# KiCad board Antena.kicad_pcb
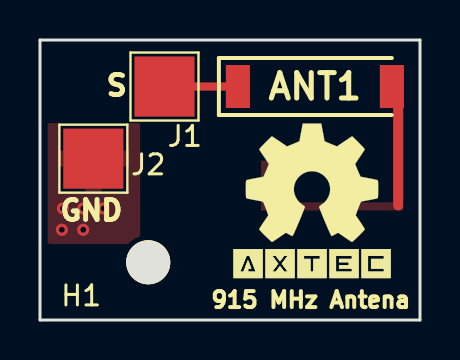
[diagram p0: board, top side]
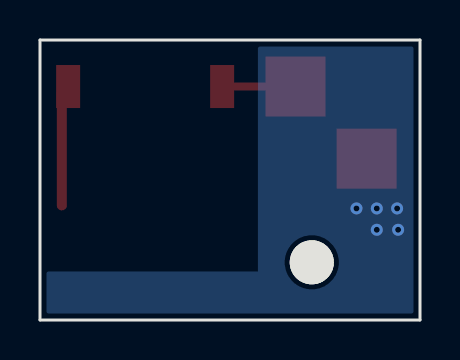
[diagram p1: board, bottom side, seen from below]

Outline 19 x 14 mm; copper layers: Top, Bottom. Coordinates in mm from the lower left corner of the outline.
Outline path: 0,14 0,0 19,0 19,14 0,14

## Placement (name value [footprint] x y rotation side)
ANT1  0915AT43A0026E  [ANTC8020X90N]  13.74 11.67 0 top
H1  MountingHole  [MountingHole_2.2mm_M2]  5.41 2.89 0 top
J1  Conn_01x01  [TestPoint_Pad_3.0x3.0mm]  6.22 11.67 0 top
J2  Conn_01x01  [TestPoint_Pad_3.0x3.0mm]  2.67 8.07 0 top
LOGO  -  [Logo_AXTEC]  9.68 4.1 0 top
REF**  -  [OSHW-Symbol_6.7x6mm_SilkScreen]  13.59 6.85 0 top

## Footprints (pads in the part's own frame, mm; a bottom-side part is the same pattern mirrored in y, then rotated)
ANTC8020X90N
  rect 1.2x2.15 smd: 1(-3.85,0) 2(3.85,0)
MountingHole_2.2mm_M2
  round 2.2 hole 2.2 unplated: (0,0)
TestPoint_Pad_3.0x3.0mm
  rect 3x3 smd: 1(0,0)

## Nets
GND: J2.1
Net-(ANT1-Pad1): ANT1.1 J1.1
Net-(ANT1-Pad2): ANT1.2

## Via types
v1: diameter 0.6, hole 0.3, Top to Bottom, 5 vias

## Routing (per net, layer and track width the routed paths; a pad name or vN(x,y) marks a point on that pad's centre or on a via; arc(x,y) is an arc through that point)
GND:
  vias: v1(1.14,5.58) v1(1.09,4.51) v1(2.16,5.58) v1(2.16,4.51) v1(3.18,5.58)
Net-(ANT1-Pad1): length 3.7
  Top w0.4: J1.1 ANT1.1
Net-(ANT1-Pad2): length 6.1
  Top w0.5: 17.91,5.73 17.91,11.36 ANT1.2

## Copper pours and planes (outline as drawn; the poured copper is in the pictures)
GND on Top: 0.38,9.84 5.01,9.84 5.01,3.8 0.38,3.8
GND on Bottom: -0.07,14.06 19.08,14.06 19.08,-0.06 -0.07,-0.06
Net-(ANT1-Pad2) on Top: 11.56,5.48 11.56,7.97 11.05,7.97 11.05,5.48
Net-(ANT1-Pad2) on Top: 11.05,5.48 18.16,5.48 18.16,5.88 11.05,5.88

## Text on the board
F.SilkS: 915 MHz Antena | GND | S
